# KiCad board PH60.kicad_pcb
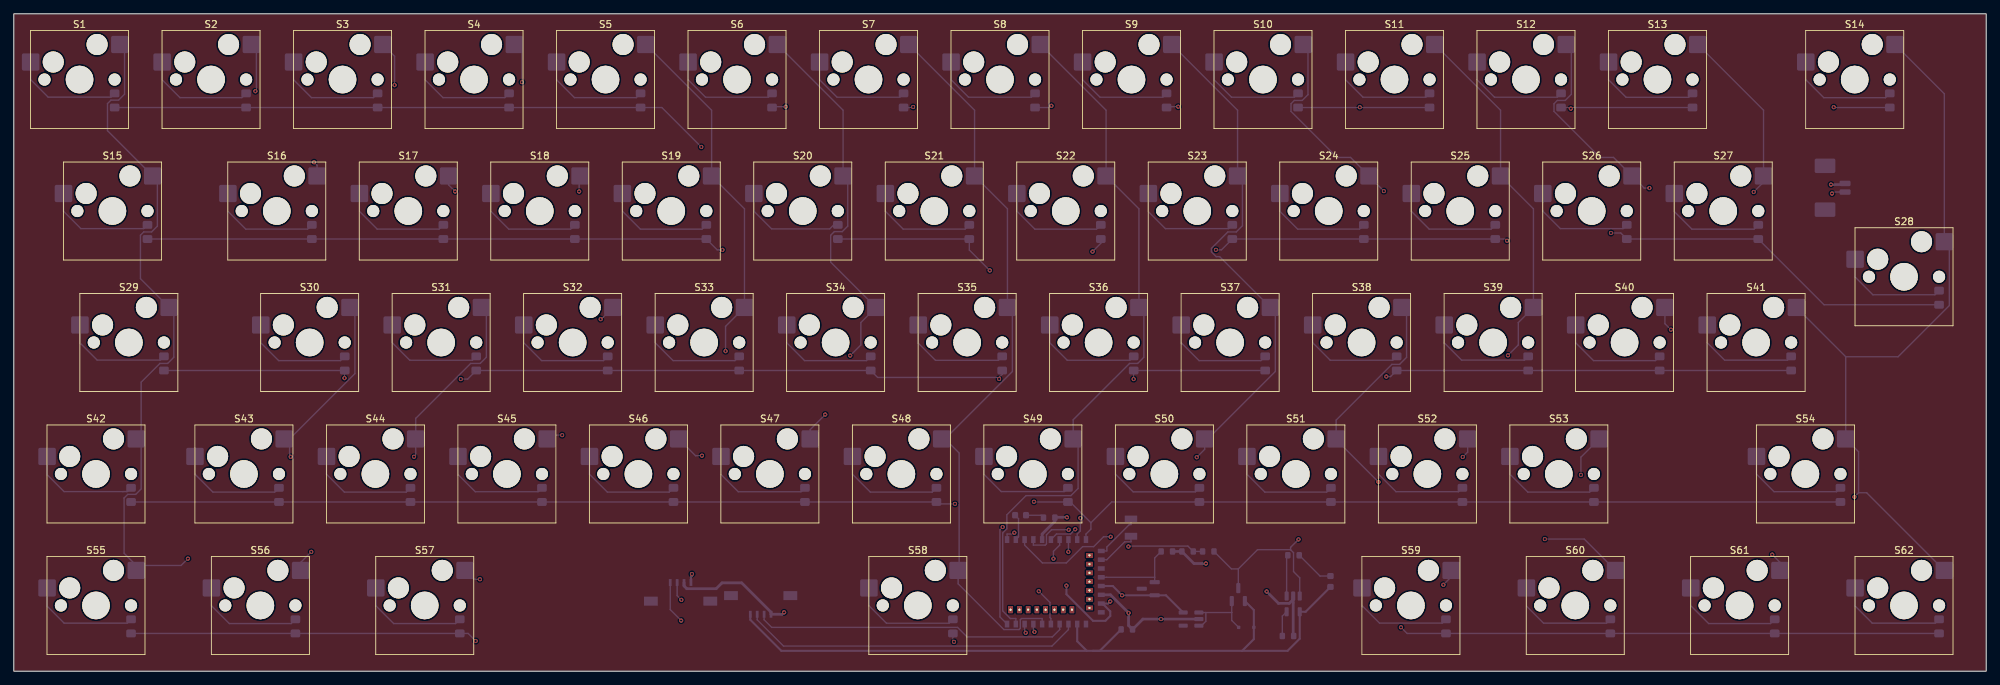
[diagram p0: board, top side]
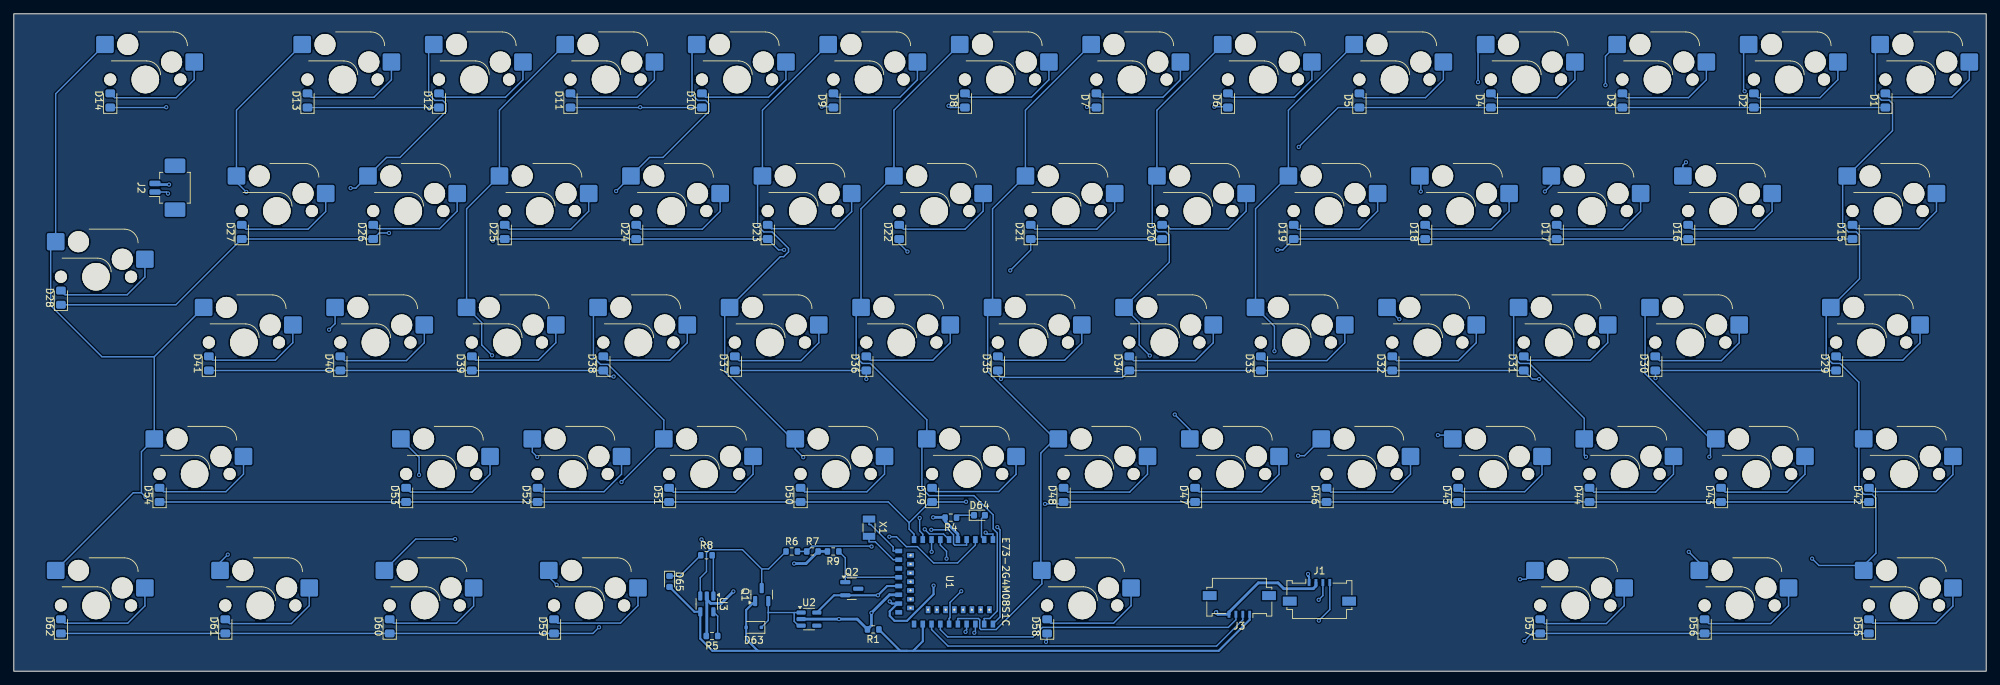
[diagram p1: board, bottom side, seen from below]

Outline 285.75 x 95.25 mm; copper layers: Top, In1.Cu, In2.Cu, Bottom. Coordinates in mm from the lower left corner of the outline.
Outline path: rectangle 0,95.25 285.75,0
Stack: Top 0.035mm / dielectric 0.1mm FR4 er 4.5 / In1.Cu 0.035mm / dielectric 1.24mm FR4 er 4.5 / In2.Cu 0.035mm / dielectric 0.1mm FR4 er 4.5 / Bottom 0.035mm

## Placement (name value [footprint] x y rotation side)
D1  DIODE  [D_0805_2012Metric_Pad1.15x1.40mm_HandSolder]  14.61 82.69 90 bottom
D2  DIODE  [D_0805_2012Metric_Pad1.15x1.40mm_HandSolder]  33.66 82.69 90 bottom
D3  DIODE  [D_0805_2012Metric_Pad1.15x1.40mm_HandSolder]  52.7 82.69 90 bottom
D4  DIODE  [D_0805_2012Metric_Pad1.15x1.40mm_HandSolder]  71.75 82.69 90 bottom
D5  DIODE  [D_0805_2012Metric_Pad1.15x1.40mm_HandSolder]  90.8 82.69 90 bottom
D6  DIODE  [D_0805_2012Metric_Pad1.15x1.40mm_HandSolder]  109.86 82.69 90 bottom
D7  DIODE  [D_0805_2012Metric_Pad1.15x1.40mm_HandSolder]  128.91 82.69 90 bottom
D8  DIODE  [D_0805_2012Metric_Pad1.15x1.40mm_HandSolder]  147.96 82.69 90 bottom
D9  DIODE  [D_0805_2012Metric_Pad1.15x1.40mm_HandSolder]  167.01 82.69 90 bottom
D10  DIODE  [D_0805_2012Metric_Pad1.15x1.40mm_HandSolder]  186.06 82.69 90 bottom
D11  DIODE  [D_0805_2012Metric_Pad1.15x1.40mm_HandSolder]  205.11 82.69 90 bottom
D12  DIODE  [D_0805_2012Metric_Pad1.15x1.40mm_HandSolder]  224.16 82.69 90 bottom
D13  DIODE  [D_0805_2012Metric_Pad1.15x1.40mm_HandSolder]  243.2 82.69 90 bottom
D14  DIODE  [D_0805_2012Metric_Pad1.15x1.40mm_HandSolder]  271.78 82.69 90 bottom
D15  DIODE  [D_0805_2012Metric_Pad1.15x1.40mm_HandSolder]  19.37 63.65 90 bottom
D16  DIODE  [D_0805_2012Metric_Pad1.15x1.40mm_HandSolder]  43.18 63.65 90 bottom
D17  DIODE  [D_0805_2012Metric_Pad1.15x1.40mm_HandSolder]  62.23 63.65 90 bottom
D18  DIODE  [D_0805_2012Metric_Pad1.15x1.40mm_HandSolder]  81.28 63.65 90 bottom
D19  DIODE  [D_0805_2012Metric_Pad1.15x1.40mm_HandSolder]  100.33 63.65 90 bottom
D20  DIODE  [D_0805_2012Metric_Pad1.15x1.40mm_HandSolder]  119.38 63.65 90 bottom
D21  DIODE  [D_0805_2012Metric_Pad1.15x1.40mm_HandSolder]  138.43 63.65 90 bottom
D22  DIODE  [D_0805_2012Metric_Pad1.15x1.40mm_HandSolder]  157.48 63.65 90 bottom
D23  DIODE  [D_0805_2012Metric_Pad1.15x1.40mm_HandSolder]  176.53 63.65 90 bottom
D24  DIODE  [D_0805_2012Metric_Pad1.15x1.40mm_HandSolder]  195.58 63.65 90 bottom
D25  DIODE  [D_0805_2012Metric_Pad1.15x1.40mm_HandSolder]  214.63 63.65 90 bottom
D26  DIODE  [D_0805_2012Metric_Pad1.15x1.40mm_HandSolder]  233.68 63.65 90 bottom
D27  DIODE  [D_0805_2012Metric_Pad1.15x1.40mm_HandSolder]  252.73 63.65 90 bottom
D28  DIODE  [D_0805_2012Metric_Pad1.15x1.40mm_HandSolder]  278.92 54.12 90 bottom
D29  DIODE  [D_0805_2012Metric_Pad1.15x1.40mm_HandSolder]  21.75 44.59 90 bottom
D30  DIODE  [D_0805_2012Metric_Pad1.15x1.40mm_HandSolder]  47.94 44.59 90 bottom
D31  DIODE  [D_0805_2012Metric_Pad1.15x1.40mm_HandSolder]  66.99 44.59 90 bottom
D32  DIODE  [D_0805_2012Metric_Pad1.15x1.40mm_HandSolder]  86.04 44.59 90 bottom
D33  DIODE  [D_0805_2012Metric_Pad1.15x1.40mm_HandSolder]  105.09 44.59 90 bottom
D34  DIODE  [D_0805_2012Metric_Pad1.15x1.40mm_HandSolder]  124.14 44.59 90 bottom
D35  DIODE  [D_0805_2012Metric_Pad1.15x1.40mm_HandSolder]  143.19 44.59 90 bottom
D36  DIODE  [D_0805_2012Metric_Pad1.15x1.40mm_HandSolder]  162.24 44.59 90 bottom
D37  DIODE  [D_0805_2012Metric_Pad1.15x1.40mm_HandSolder]  181.29 44.59 90 bottom
D38  DIODE  [D_0805_2012Metric_Pad1.15x1.40mm_HandSolder]  200.34 44.59 90 bottom
D39  DIODE  [D_0805_2012Metric_Pad1.15x1.40mm_HandSolder]  219.39 44.59 90 bottom
D40  DIODE  [D_0805_2012Metric_Pad1.15x1.40mm_HandSolder]  238.44 44.59 90 bottom
D41  DIODE  [D_0805_2012Metric_Pad1.15x1.40mm_HandSolder]  257.49 44.59 90 bottom
D42  DIODE  [D_0805_2012Metric_Pad1.15x1.40mm_HandSolder]  16.99 25.55 90 bottom
D43  DIODE  [D_0805_2012Metric_Pad1.15x1.40mm_HandSolder]  38.42 25.55 90 bottom
D44  DIODE  [D_0805_2012Metric_Pad1.15x1.40mm_HandSolder]  57.47 25.55 90 bottom
D45  DIODE  [D_0805_2012Metric_Pad1.15x1.40mm_HandSolder]  76.52 25.55 90 bottom
D46  DIODE  [D_0805_2012Metric_Pad1.15x1.40mm_HandSolder]  95.57 25.55 90 bottom
D47  DIODE  [D_0805_2012Metric_Pad1.15x1.40mm_HandSolder]  114.62 25.55 90 bottom
D48  DIODE  [D_0805_2012Metric_Pad1.15x1.40mm_HandSolder]  133.67 25.55 90 bottom
D49  DIODE  [D_0805_2012Metric_Pad1.15x1.40mm_HandSolder]  152.72 25.55 90 bottom
D50  DIODE  [D_0805_2012Metric_Pad1.15x1.40mm_HandSolder]  171.77 25.55 90 bottom
D51  DIODE  [D_0805_2012Metric_Pad1.15x1.40mm_HandSolder]  190.82 25.55 90 bottom
D52  DIODE  [D_0805_2012Metric_Pad1.15x1.40mm_HandSolder]  209.87 25.55 90 bottom
D53  DIODE  [D_0805_2012Metric_Pad1.15x1.40mm_HandSolder]  228.92 25.55 90 bottom
D54  DIODE  [D_0805_2012Metric_Pad1.15x1.40mm_HandSolder]  264.64 25.55 90 bottom
D55  DIODE  [D_0805_2012Metric_Pad1.15x1.40mm_HandSolder]  16.99 6.5 90 bottom
D56  DIODE  [D_0805_2012Metric_Pad1.15x1.40mm_HandSolder]  40.8 6.5 90 bottom
D57  DIODE  [D_0805_2012Metric_Pad1.15x1.40mm_HandSolder]  64.61 6.5 90 bottom
D58  DIODE  [D_0805_2012Metric_Pad1.15x1.40mm_HandSolder]  136.05 6.5 90 bottom
D59  DIODE  [D_0805_2012Metric_Pad1.15x1.40mm_HandSolder]  207.49 6.5 90 bottom
D60  DIODE  [D_0805_2012Metric_Pad1.15x1.40mm_HandSolder]  231.3 6.5 90 bottom
D61  DIODE  [D_0805_2012Metric_Pad1.15x1.40mm_HandSolder]  255.11 6.5 90 bottom
D62  DIODE  [D_0805_2012Metric_Pad1.15x1.40mm_HandSolder]  278.92 6.5 90 bottom
D63  1N5819  [D_SOD-323F]  178.55 6.35 0 bottom
D64  BLUE  [LED_0603_1608Metric]  145.85 22.6 180 bottom
D65  RED  [LED_0603_1608Metric]  190.75 13 270 bottom
J1  Conn_01x04  [Molex_200528-0040_1x04-1MP_P1.00mm_Horizontal]  96.6 11.94 180 bottom
J2  Conn_01x02  [Molex_PicoBlade_53261-0271_1x02-1MP_P1.25mm_Horizontal]  262.9 70.05 90 bottom
J3  Conn_01x04  [Molex_200528-0040_1x04-1MP_P1.00mm_Horizontal]  108.2 9.16 0 bottom
Q1  AO3407  [SOT-23]  177.4 11.1 90 bottom
Q2  AO3407  [SOT-23]  164.35 11.95 180 bottom
R1  100K  [R_0603_1608Metric]  161.25 6.05 0 bottom
R4  1K  [R_0603_1608Metric]  150 22.25 0 bottom
R5  RPROG  [R_0603_1608Metric]  184.6 5.1 0 bottom
R6  820K  [R_0603_1608Metric]  173.05 17.35 180 bottom
R7  2M  [R_0603_1608Metric]  170.05 17.35 180 bottom
R8  1K  [R_0603_1608Metric]  185.4 16.8 180 bottom
R9  2M  [R_0603_1608Metric]  167.05 17.35 0 bottom
S1  MX1A  [SW_Hotswap_Kailh_MX_1.00u]  9.53 85.72 0 top
S2  MX1A  [SW_Hotswap_Kailh_MX_1.00u]  28.57 85.72 0 top
S3  MX1A  [SW_Hotswap_Kailh_MX_1.00u]  47.62 85.72 0 top
S4  MX1A  [SW_Hotswap_Kailh_MX_1.00u]  66.67 85.72 0 top
S5  MX1A  [SW_Hotswap_Kailh_MX_1.00u]  85.72 85.72 0 top
S6  MX1A  [SW_Hotswap_Kailh_MX_1.00u]  104.77 85.72 0 top
S7  MX1A  [SW_Hotswap_Kailh_MX_1.00u]  123.83 85.72 0 top
S8  MX1A  [SW_Hotswap_Kailh_MX_1.00u]  142.88 85.72 0 top
S9  MX1A  [SW_Hotswap_Kailh_MX_1.00u]  161.93 85.72 0 top
S10  MX1A  [SW_Hotswap_Kailh_MX_1.00u]  180.98 85.72 0 top
S11  MX1A  [SW_Hotswap_Kailh_MX_1.00u]  200.03 85.72 0 top
S12  MX1A  [SW_Hotswap_Kailh_MX_1.00u]  219.08 85.72 0 top
S13  MX1A  [SW_Hotswap_Kailh_MX_1.00u]  238.12 85.72 0 top
S14  MX1A  [SW_Hotswap_Kailh_MX_2.00u]  266.7 85.72 0 top
S15  MX1A  [SW_Hotswap_Kailh_MX_1.50u]  14.29 66.68 0 top
S16  MX1A  [SW_Hotswap_Kailh_MX_1.00u]  38.1 66.68 0 top
S17  MX1A  [SW_Hotswap_Kailh_MX_1.00u]  57.15 66.68 0 top
S18  MX1A  [SW_Hotswap_Kailh_MX_1.00u]  76.2 66.68 0 top
S19  MX1A  [SW_Hotswap_Kailh_MX_1.00u]  95.25 66.68 0 top
S20  MX1A  [SW_Hotswap_Kailh_MX_1.00u]  114.3 66.68 0 top
S21  MX1A  [SW_Hotswap_Kailh_MX_1.00u]  133.35 66.68 0 top
S22  MX1A  [SW_Hotswap_Kailh_MX_1.00u]  152.4 66.68 0 top
S23  MX1A  [SW_Hotswap_Kailh_MX_1.00u]  171.45 66.68 0 top
S24  MX1A  [SW_Hotswap_Kailh_MX_1.00u]  190.5 66.68 0 top
S25  MX1A  [SW_Hotswap_Kailh_MX_1.00u]  209.55 66.68 0 top
S26  MX1A  [SW_Hotswap_Kailh_MX_1.00u]  228.6 66.68 0 top
S27  MX1A  [SW_Hotswap_Kailh_MX_1.00u]  247.65 66.68 0 top
S28  MX1A  [SW_Hotswap_Kailh_MX_ISOEnter]  273.84 57.15 0 top
S29  MX1A  [SW_Hotswap_Kailh_MX_1.75u]  16.67 47.62 0 top
S30  MX1A  [SW_Hotswap_Kailh_MX_1.00u]  42.86 47.62 0 top
S31  MX1A  [SW_Hotswap_Kailh_MX_1.00u]  61.91 47.62 0 top
S32  MX1A  [SW_Hotswap_Kailh_MX_1.00u]  80.96 47.62 0 top
S33  MX1A  [SW_Hotswap_Kailh_MX_1.00u]  100.01 47.62 0 top
S34  MX1A  [SW_Hotswap_Kailh_MX_1.00u]  119.06 47.62 0 top
S35  MX1A  [SW_Hotswap_Kailh_MX_1.00u]  138.11 47.62 0 top
S36  MX1A  [SW_Hotswap_Kailh_MX_1.00u]  157.16 47.62 0 top
S37  MX1A  [SW_Hotswap_Kailh_MX_1.00u]  176.21 47.62 0 top
S38  MX1A  [SW_Hotswap_Kailh_MX_1.00u]  195.26 47.62 0 top
S39  MX1A  [SW_Hotswap_Kailh_MX_1.00u]  214.31 47.62 0 top
S40  MX1A  [SW_Hotswap_Kailh_MX_1.00u]  233.36 47.62 0 top
S41  MX1A  [SW_Hotswap_Kailh_MX_1.00u]  252.41 47.62 0 top
S42  MX1A  [SW_Hotswap_Kailh_MX_1.25u]  11.91 28.58 0 top
S43  MX1A  [SW_Hotswap_Kailh_MX_1.00u]  33.34 28.58 0 top
S44  MX1A  [SW_Hotswap_Kailh_MX_1.00u]  52.39 28.58 0 top
S45  MX1A  [SW_Hotswap_Kailh_MX_1.00u]  71.44 28.58 0 top
S46  MX1A  [SW_Hotswap_Kailh_MX_1.00u]  90.49 28.58 0 top
S47  MX1A  [SW_Hotswap_Kailh_MX_1.00u]  109.54 28.58 0 top
S48  MX1A  [SW_Hotswap_Kailh_MX_1.00u]  128.59 28.58 0 top
S49  MX1A  [SW_Hotswap_Kailh_MX_1.00u]  147.64 28.58 0 top
S50  MX1A  [SW_Hotswap_Kailh_MX_1.00u]  166.69 28.58 0 top
S51  MX1A  [SW_Hotswap_Kailh_MX_1.00u]  185.74 28.58 0 top
S52  MX1A  [SW_Hotswap_Kailh_MX_1.00u]  204.79 28.58 0 top
S53  MX1A  [SW_Hotswap_Kailh_MX_1.00u]  223.84 28.58 0 top
S54  MX1A  [SW_Hotswap_Kailh_MX_2.75u]  259.56 28.58 0 top
S55  MX1A  [SW_Hotswap_Kailh_MX_1.25u]  11.91 9.53 0 top
S56  MX1A  [SW_Hotswap_Kailh_MX_1.25u]  35.72 9.53 0 top
S57  MX1A  [SW_Hotswap_Kailh_MX_1.25u]  59.53 9.53 0 top
S58  MX1A  [SW_Hotswap_Kailh_MX_6.25u]  130.97 9.53 0 top
S59  MX1A  [SW_Hotswap_Kailh_MX_1.25u]  202.41 9.53 0 top
S60  MX1A  [SW_Hotswap_Kailh_MX_1.25u]  226.22 9.53 0 top
S61  MX1A  [SW_Hotswap_Kailh_MX_1.25u]  250.03 9.53 0 top
S62  MX1A  [SW_Hotswap_Kailh_MX_1.25u]  273.84 9.53 0 top
U1  E73-2G4M08S1C  [E73-2G4M08S1C-52840]  157.93 12.95 180 bottom
U2  AP2112K-3.3  [SOT-23-5]  170.55 7.55 180 bottom
U3  TP4054  [SOT-23-5]  185.35 9.75 270 bottom
X1  32768kHz  [Crystal_SMD_3215-2Pin_3.2x1.5mm]  161.85 20.8 270 bottom

## Library data of the parts
D1-D62 = -: Description: Diode; Sim.Device: D; Sim.Pins: 1=K 2=A; ki_fp_filters: TO-???* *_Diode_* *SingleDiode* D_*
D63 = -: ki_fp_filters: D*SOD?123*
D64 D65 = -: ki_fp_filters: LED* LED_SMD:* LED_THT:*
J1 J2 = -: ki_fp_filters: Connector*:*_1x??_*
J3 = -: Description: Generic connector, single row, 01x04, script generated (kicad-library-utils/schlib/autogen/connector/); ki_fp_filters: Connector*:*_1x??_*
Q1 Q2 = -: ki_fp_filters: SOT?23*
R1 R4 R5 R8 = -: ki_fp_filters: R_* R_*
R6 R7 R9 = -: ki_fp_filters: R_*
S1-S62 = -: Description: Push button switch, generic, two pins
U2 = -: Datasheet: https://www.diodes.com/assets/Datasheets/AP2112.pdf; ki_fp_filters: SOT?23?5*
U3 = -: Datasheet: http://ww1.microchip.com/downloads/en/DeviceDoc/20001984g.pdf; ki_fp_filters: SOT?23*
X1 = -: ki_fp_filters: Crystal*

## Footprints (pads in the part's own frame, mm; a bottom-side part is the same pattern mirrored in y, then rotated)
Crystal_SMD_3215-2Pin_3.2x1.5mm
  rect 1x1.8 smd: 1(1.25,0) 2(-1.25,0)
D_0805_2012Metric_Pad1.15x1.40mm_HandSolder
  rrect 1.15x1.4 smd: 1(-1.025,0) 2(1.025,0)
D_SOD-323F
  rrect 0.5x0.5 smd: 1(-1.1,0) 2(1.1,0)
E73-2G4M08S1C-52840
  rect 0.65x1 smd: 1(14.03,6.119) 2(12.76,6.119) 3(11.49,6.119) 4(10.22,6.119) 5(8.95,6.119) 6(7.68,6.119) 7(6.41,6.119) 8(5.14,6.119) 9(3.87,6.119) 10(2.6,6.119) 26(2.6,-6.119) 27(3.87,-6.119) 29(5.14,-6.119) 31(6.41,-6.119) 33(7.68,-6.119) 35(8.95,-6.119) 37(10.22,-6.119) 39(11.49,-6.119) 41(12.76,-6.119) 43(14.03,-6.119)
  rect 1x0.65 smd: 11(0.381,4.47) 13(0.381,3.2) 15(0.381,1.93) 17(0.381,0.66) 19(0.381,-0.61) 21(0.381,-1.88) 23(0.381,-3.15) 25(0.381,-4.42)
  rect 1x0.65 hole 0.3: 12(2.092,3.833) 14(2.092,2.563) 16(2.092,1.293) 18(2.092,0.023) 20(2.092,-1.247) 22(2.092,-2.517) 24(2.092,-3.787)
  rect 0.65x1 hole 0.3: 28(4.632,-4.041) 30(5.902,-4.041) 32(7.172,-4.041) 34(8.442,-4.041) 36(9.712,-4.041) 38(10.982,-4.041) 40(12.252,-4.041) 42(13.522,-4.041)
LED_0603_1608Metric
  rrect 0.875x0.95 smd: 1(-0.787,0) 2(0.787,0)
Molex_200528-0040_1x04-1MP_P1.00mm_Horizontal
  rect 0.4x1 smd: 1(-1.5,0.91) 2(-0.5,0.91) 3(0.5,0.91) 4(1.5,0.91)
  rect 2x1.3 smd: MP(-4.3,-1.79) MP(4.3,-1.79)
Molex_PicoBlade_53261-0271_1x02-1MP_P1.25mm_Horizontal
  rrect 0.8x1.6 smd: 1(-0.625,2.4) 2(0.625,2.4)
  rrect 2.1x3 smd: MP(-3.175,-0.5) MP(3.175,-0.5)
R_0603_1608Metric
  rrect 0.8x0.95 smd: 1(-0.825,0) 2(0.825,0)
SOT-23
  rrect 1.475x0.6 smd: 1(-0.938,0.95) 2(-0.938,-0.95) 3(0.938,0)
SOT-23-5
  rrect 1.325x0.6 smd: 1(-1.137,0.95) 2(-1.137,0) 3(-1.137,-0.95) 4(1.137,-0.95) 5(1.137,0.95)
SW_Hotswap_Kailh_MX_1.00u
  round 1.75 hole 1.75 unplated: (-5.08,0) (5.08,0)
  round 3.05 hole 3.05 unplated: (-3.81,2.54) (2.54,5.08)
  round 4 hole 4 unplated: (0,0)
  rrect 2.55x2.5 smd far side: 1(-7.085,2.54) 2(5.842,5.08)
SW_Hotswap_Kailh_MX_1.25u
  round 1.75 hole 1.75 unplated: (-5.08,0) (5.08,0)
  round 3.05 hole 3.05 unplated: (-3.81,2.54) (2.54,5.08)
  round 4 hole 4 unplated: (0,0)
  rrect 2.55x2.5 smd far side: 1(-7.085,2.54) 2(5.842,5.08)
SW_Hotswap_Kailh_MX_1.50u
  round 1.75 hole 1.75 unplated: (-5.08,0) (5.08,0)
  round 3.05 hole 3.05 unplated: (-3.81,2.54) (2.54,5.08)
  round 4 hole 4 unplated: (0,0)
  rrect 2.55x2.5 smd far side: 1(-7.085,2.54) 2(5.842,5.08)
SW_Hotswap_Kailh_MX_1.75u
  round 1.75 hole 1.75 unplated: (-5.08,0) (5.08,0)
  round 3.05 hole 3.05 unplated: (-3.81,2.54) (2.54,5.08)
  round 4 hole 4 unplated: (0,0)
  rrect 2.55x2.5 smd far side: 1(-7.085,2.54) 2(5.842,5.08)
SW_Hotswap_Kailh_MX_2.00u
  round 1.75 hole 1.75 unplated: (-5.08,0) (5.08,0)
  round 3.05 hole 3.05 unplated: (-3.81,2.54) (2.54,5.08)
  round 4 hole 4 unplated: (0,0)
  rrect 2.55x2.5 smd far side: 1(-7.085,2.54) 2(5.842,5.08)
SW_Hotswap_Kailh_MX_2.75u
  round 1.75 hole 1.75 unplated: (-5.08,0) (5.08,0)
  round 3.05 hole 3.05 unplated: (-3.81,2.54) (2.54,5.08)
  round 4 hole 4 unplated: (0,0)
  rrect 2.55x2.5 smd far side: 1(-7.085,2.54) 2(5.842,5.08)
SW_Hotswap_Kailh_MX_6.25u
  round 1.75 hole 1.75 unplated: (-5.08,0) (5.08,0)
  round 3.05 hole 3.05 unplated: (-3.81,2.54) (2.54,5.08)
  round 4 hole 4 unplated: (0,0)
  rrect 2.55x2.5 smd far side: 1(-7.085,2.54) 2(5.842,5.08)
SW_Hotswap_Kailh_MX_ISOEnter
  round 1.75 hole 1.75 unplated: (-5.08,0) (5.08,0)
  round 3.05 hole 3.05 unplated: (-3.81,2.54) (2.54,5.08)
  round 4 hole 4 unplated: (0,0)
  rrect 2.55x2.5 smd far side: 1(-7.085,2.54) 2(5.842,5.08)

## Nets
GND: J1.2 J2.2 J3.4 R1.2 R4.2 R5.2 R7.2 R9.2 U1.5 U1.21 U1.24 U2.2 U3.2
VBAT: J2.1 Q1.3 R6.1 U3.3
VBUS: D63.2 D65.2 J3.1 Q1.1 R1.1 U1.27 U3.4
/P0.00: U1.11 X1.2
/P0.01: U1.13 X1.1
/P0.07: U1.22
/P0.22: U1.34
/P0.26: U1.12
/P1.00: U1.36
/P1.02: U1.38
/P1.04: U1.40
BATTERY_PIN: R6.2 R7.1 U1.18
BLUE_LED: D64.2 U1.2
col_0: S1.2 S15.2 S29.2 S42.2 S55.2 U1.16
col_1: S2.2 S16.2 S30.2 S43.2 S56.2 U1.14
col_2: S3.2 S17.2 S31.2 S44.2 S57.2 U1.28
col_3: S4.2 S18.2 S32.2 S45.2 U1.30
col_4: S5.2 S19.2 S33.2 S46.2 U1.32
col_5: S6.2 S20.2 S34.2 S47.2 U1.33
col_6: S7.2 S21.2 S35.2 S48.2 S58.2 U1.35
col_7: S8.2 S22.2 S36.2 S49.2 U1.41
col_8: S9.2 S23.2 S37.2 S50.2 U1.43
col_9: S10.2 S24.2 S38.2 S51.2 S59.2 U1.42
col_10: S11.2 S25.2 S39.2 S52.2 S60.2 U1.1
col_11: S12.2 S26.2 S40.2 S53.2 S61.2 U1.4
col_12: S13.2 S27.2 U1.3
col_13: S14.2 S28.2 S41.2 S54.2 S62.2 U1.6
DATA+: J3.3 U1.31
DATA-: J3.2 U1.29
DCCH: U1.25
EXT_VCC: Q2.3
nRF_VDD: J1.1 Q2.2 U1.19 U1.23 U2.5
POWER_PIN: Q2.1 R9.1 U1.17
PROG: U1.15
RESET: U1.26
row_0: D1.1 D2.1 D3.1 D4.1 D5.1 D6.1 D7.1 D8.1 D9.1 D10.1 D11.1 D12.1 D13.1 D14.1 U1.7
row_1: D15.1 D16.1 D17.1 D18.1 D19.1 D20.1 D21.1 D22.1 D23.1 D24.1 D25.1 D26.1 D27.1 D28.1 U1.8
row_2: D29.1 D30.1 D31.1 D32.1 D33.1 D34.1 D35.1 D36.1 D37.1 D38.1 D39.1 D40.1 D41.1 U1.9
row_3: D42.1 D43.1 D44.1 D45.1 D46.1 D47.1 D48.1 D49.1 D50.1 D51.1 D52.1 D53.1 D54.1 U1.10
row_4: D55.1 D56.1 D57.1 D58.1 D59.1 D60.1 D61.1 D62.1 U1.20
SWC: J1.4 U1.39
SWD: J1.3 U1.37
Net-(D1-A): D1.2 S1.1
Net-(D2-A): D2.2 S2.1
Net-(D3-A): D3.2 S3.1
Net-(D4-A): D4.2 S4.1
Net-(D5-A): D5.2 S5.1
Net-(D6-A): D6.2 S6.1
Net-(D7-A): D7.2 S7.1
Net-(D8-A): D8.2 S8.1
Net-(D9-A): D9.2 S9.1
Net-(D10-A): D10.2 S10.1
Net-(D11-A): D11.2 S11.1
Net-(D12-A): D12.2 S12.1
Net-(D13-A): D13.2 S13.1
Net-(D14-A): D14.2 S14.1
Net-(D15-A): D15.2 S15.1
Net-(D16-A): D16.2 S16.1
Net-(D17-A): D17.2 S17.1
Net-(D18-A): D18.2 S18.1
Net-(D19-A): D19.2 S19.1
Net-(D20-A): D20.2 S20.1
Net-(D21-A): D21.2 S21.1
Net-(D22-A): D22.2 S22.1
Net-(D23-A): D23.2 S23.1
Net-(D24-A): D24.2 S24.1
Net-(D25-A): D25.2 S25.1
Net-(D26-A): D26.2 S26.1
Net-(D27-A): D27.2 S27.1
Net-(D28-A): D28.2 S28.1
Net-(D29-A): D29.2 S29.1
Net-(D30-A): D30.2 S30.1
Net-(D31-A): D31.2 S31.1
Net-(D32-A): D32.2 S32.1
Net-(D33-A): D33.2 S33.1
Net-(D34-A): D34.2 S34.1
Net-(D35-A): D35.2 S35.1
Net-(D36-A): D36.2 S36.1
Net-(D37-A): D37.2 S37.1
Net-(D38-A): D38.2 S38.1
Net-(D39-A): D39.2 S39.1
Net-(D40-A): D40.2 S40.1
Net-(D41-A): D41.2 S41.1
Net-(D42-A): D42.2 S42.1
Net-(D43-A): D43.2 S43.1
Net-(D44-A): D44.2 S44.1
Net-(D45-A): D45.2 S45.1
Net-(D46-A): D46.2 S46.1
Net-(D47-A): D47.2 S47.1
Net-(D48-A): D48.2 S48.1
Net-(D49-A): D49.2 S49.1
Net-(D50-A): D50.2 S50.1
Net-(D51-A): D51.2 S51.1
Net-(D52-A): D52.2 S52.1
Net-(D53-A): D53.2 S53.1
Net-(D54-A): D54.2 S54.1
Net-(D55-A): D55.2 S55.1
Net-(D56-A): D56.2 S56.1
Net-(D57-A): D57.2 S57.1
Net-(D58-A): D58.2 S58.1
Net-(D59-A): D59.2 S59.1
Net-(D60-A): D60.2 S60.1
Net-(D61-A): D61.2 S61.1
Net-(D62-A): D62.2 S62.1
Net-(D63-K): D63.1 Q1.2 U2.1 U2.3
Net-(D64-K): D64.1 R4.1
Net-(D65-K): D65.1 R8.1
Net-(U3-PROG): R5.1 U3.5
Net-(U3-STAT): R8.2 U3.1

Pads without a net: J1 MP; J2 MP; J3 MP; U2 4

## Via types
v1: diameter 0.6, hole 0.33, Top to Bottom, 81 vias

## Routing (per net, layer and track width the routed paths; a pad name or vN(x,y) marks a point on that pad's centre or on a via; arc(x,y) is an arc through that point)
GND: length 286.7
  In1.Cu w0.4: v1(111.6,8.52) 113.18,6.94 152.77,6.94 154.99,9.16 ; v1(172.7,15.6) 177.45,15.6 v1(181.5,11.55) ; U1.24 154.99,9.16 ; v1(152.56,22.29) 153.03,22.29 154.81,20.51 154.81,8.99 154.99,9.16
  In2.Cu w0.4: v1(161.5,8.45) 160.79,9.16 U1.24 ; v1(152.56,22.29) 153.45,23.18 207.73,23.18 221.23,36.69 229.55,36.69 263.26,70.4 v1(263.26,70.51) ; v1(166.2,7.55) 172.29,13.64 179.41,13.64 v1(181.5,11.55)
  Bottom w0.4: 111.46,8.66 v1(111.6,8.52) 111.33,8.25 J3.4 109.7,8.55 105.45,12.8 102.6,12.8 101.75,11.95 97.5,11.95 97.1,12.35 J1.2 ; U2.2 v1(166.2,7.55) 163.58,7.55 R1.2 161.5,6.62 v1(161.5,8.45) 158.88,11.07 U1.21 ; v1(152.56,22.29) 150.87,22.29 R4.2 150.83,21.72 148.98,19.87 U1.5 ; J2.2 265.13,70.51 v1(263.26,70.51) ; R9.2 R7.2 170.98,15.6 v1(172.7,15.6) ; R5.2 185.35,5.17 U3.2 185.35,10.39 184.78,9.83 183.23,9.83 v1(181.5,11.55)
VBAT: length 125.8
  In1.Cu w0.2: v1(186.12,19.09) 186.12,19.22 205.09,38.19 227.55,38.19 236.13,46.77 236.13,47.37 257.96,69.21 v1(263.41,69.21)
  Bottom w0.2: v1(263.41,69.21) 263.63,69.43 J2.1 ; Q1.3 177.4,14.82 ; 177.4,14.82 180.18,17.6 184.97,17.6 ; 177.4,14.82 176.41,14.82 R6.1 ; 184.97,17.6 184.97,17.94 v1(186.12,19.09) ; 184.97,17.6 185.4,17.17 185.4,14.43 186.3,13.53 U3.3
VBUS: length 111.1
  Bottom w0.3: J3.1 106.7,7.45 111.2,2.95 155.45,2.95 ; 177.95,2.95 156.35,2.95 ; 177.95,2.95 179.65,4.65 D63.2 179.65,8.86 Q1.1 ; 177.95,2.95 184.53,2.95 186.3,4.72 U3.4 187.15,8.61 D65.2 ; 156.35,2.95 157.33,2.95 R1.1 ; 156.35,2.95 155.45,2.95 ; 155.45,2.95 154.06,4.34 U1.27
/P0.00: length 7
  Bottom w0.2: X1.2 161.85,21.25 161.61,21.25 158.35,17.99 158.35,17.42 U1.11
/P0.01: length 6.2
  Bottom w0.2: U1.13 158.35,16.15 160.95,18.75 161.85,18.75 X1.1
BATTERY_PIN: length 19
  In1.Cu w0.2: v1(161.48,18.06) 156.64,13.22 156.64,12.97 U1.18
  Bottom w0.2: v1(161.48,18.06) 161.55,18.13 170.1,18.13 R7.1 R6.2
BLUE_LED: length 3.9
  Bottom w0.2: U1.2 145.56,19.46 145.56,22.1 D64.2
col_0: length 230.2
  In2.Cu w0.2: v1(25.22,16.31) 25.6,16.68 148.13,16.68 150.57,14.24 U1.16
  Bottom w0.2: S42.2 18.45,33.66 ; 18.45,33.66 18.45,26.42 17.66,25.62 16.51,25.62 15.98,25.09 15.98,17.09 17.75,15.32 ; 18.45,33.66 18.45,41.88 21.16,44.59 22.29,44.59 23.18,45.48 23.18,52.04 S29.2 18.35,56.87 18.35,63.17 18.82,63.65 19.96,63.65 20.8,64.48 20.8,71.09 S15.2 13.57,78.31 13.57,82.24 14.07,82.74 15.18,82.74 16.04,83.6 16.04,90.13 S1.2 ; 17.75,15.32 S55.2 ; 17.75,15.32 24.23,15.32 v1(25.22,16.31)
col_1: length 229.2
  In1.Cu w0.2: v1(35,84.03) 35,82.24 v1(43.5,73.74)
  In2.Cu w0.2: v1(43.5,73.74) 43.5,71.42 41.44,69.36 41.44,57.05 36.35,51.96 36.35,37.52 40.11,33.75 v1(40.11,31.07) 40.11,21.49 43.7,17.9 ; U1.14 155.04,15.51 155.04,15.9 153.03,17.9 43.7,17.9 ; 43.7,17.9 v1(43.09,17.29)
  Bottom w0.2: v1(35,84.03) 35.15,84.17 35.15,90.08 S2.2 ; S56.2 41.56,15.76 v1(43.09,17.29) ; v1(40.11,31.07) 39.95,31.22 39.95,33.66 ; v1(43.5,73.74) 43.94,73.3 S16.2 ; 39.95,33.66 49.41,43.11 49.41,52 S30.2 ; 39.95,33.66 S43.2
col_2: length 212.3
  In1.Cu w0.2: v1(67.53,13.32) 67.53,21.52 v1(57.98,31.07) 57.98,38.01 64.87,44.9 64.87,48.45 66.54,50.12 66.54,66.91 v1(63.94,69.51) 63.94,76.13 v1(55.16,84.91)
  In2.Cu w0.2: v1(67.53,13.32) 107.65,13.32 114.01,6.97 151.79,6.97 153.3,8.47 U1.28
  Bottom w0.2: v1(63.94,69.51) 62.99,70.46 S17.2 ; v1(55.16,84.91) 55.16,89.11 S3.2 ; v1(67.53,13.32) 66.66,13.32 S57.2 ; S31.2 68.46,52 68.46,45.49 67.57,44.59 66.19,44.59 58.23,36.64 S44.2 58.23,31.31 v1(57.98,31.07)
col_3: length 153
  In1.Cu w0.2: 84.61,38.98 84.61,50.59 v1(85.02,51) 85.6,51.58 85.6,65.82 v1(81.91,69.51) 81.91,77.06 v1(73.62,85.35) ; 84.61,38.98 93.49,30.1 97.71,30.1 112.46,15.35 128.75,15.35 131.57,12.53 137.61,12.53 142.03,8.11 152.03,8.11 U1.30 ; 84.61,38.98 84.22,38.98 v1(79.44,34.2)
  Bottom w0.2: v1(79.44,34.2) 77.83,34.2 S45.2 ; S32.2 85.1,51 v1(85.02,51) ; v1(81.91,69.51) 81.91,71.62 S18.2 ; S4.2 73.62,89.7 v1(73.62,85.35)
col_4: length 133.2
  In1.Cu w0.2: U1.32 150.76,9.71 145.83,9.71 129.75,25.79 105.13,25.79 v1(99.69,31.22) 103.11,34.65 v1(103.11,46.36)
  Bottom w0.2: v1(99.69,31.22) 98.76,31.22 S46.2 ; S5.2 101.09,81.28 S19.2 105.85,66.99 S33.2 103.11,49.97 v1(103.11,46.36)
col_5: length 117.1
  In1.Cu w0.2: 121.18,40.65 131.54,30.28 134,30.28 142.65,21.64 142.65,17.43 v1(148.49,11.59) ; 121.18,40.65 v1(121.18,45.73) ; 121.18,40.65 121.02,40.65 v1(117.56,37.19)
  Bottom w0.2: U1.33 150.25,7.63 150.11,7.77 150.11,9.96 v1(148.49,11.59) ; S6.2 120.14,81.28 S20.2 120.82,71.08 120.82,64.48 120.02,63.69 118.88,63.69 118.35,63.16 118.35,59.26 S34.2 122.72,50.52 122.72,47.27 v1(121.18,45.73) ; S47.2 115.38,35.01 v1(117.56,37.19)
col_6: length 106.9
  Bottom w0.2: 134.91,33.66 144.67,43.42 144.67,51.99 S35.2 143.95,66.99 S21.2 139.19,81.28 S7.2 ; 134.91,33.66 S48.2 ; 134.91,33.66 136.96,31.61 136.96,14.75 S58.2 136.81,12.66 143.44,6.03 145.63,6.03 145.81,6.21 145.81,7.46 145.99,7.63 148.98,7.63 U1.35
col_7: length 105
  Bottom w0.2: U1.41 145.17,7.63 144.37,7.63 143.27,8.73 143.27,20.03 143.87,20.63 143.87,22.66 146.64,25.43 153.15,25.43 154.19,26.48 154.19,32.95 S49.2 153.48,36.43 161.64,44.59 162.82,44.59 163.71,45.49 163.71,52 S36.2 163,66.99 S22.2 158.24,81.28 S8.2
col_8: length 123.5
  In2.Cu w0.2: v1(143.26,20.88) 145.19,20.88 148.71,24.4 166.15,24.4 169.67,27.92 169.67,29.29 v1(171.38,31)
  Bottom w0.2: v1(143.26,20.88) 142.87,20.48 142.87,7.86 U1.43 ; S9.2 177.29,81.28 S23.2 178,71.05 178,64.54 177.11,63.65 175.88,63.65 173.51,61.27 173.51,60.76 174.2,60.06 174.7,60.06 S37.2 182.76,52 182.76,43.42 172.99,33.66 S50.2 172.53,32.15 v1(171.38,31)
col_9: length 194
  In1.Cu w0.2: v1(207.11,12.53) 207.11,18.01 v1(197.71,27.41)
  In2.Cu w0.2: v1(197.71,27.41) 197.71,46.46 198.22,46.98 198.22,48.45 199.96,50.19 199.96,68.09 v1(198.49,69.56) ; v1(207.11,12.53) 201.98,12.53 200.37,14.14 159.53,14.14 156.45,11.06 149.56,11.06 148.21,9.71 144.41,9.71 U1.42
  Bottom w0.2: v1(197.71,27.41) 191.58,33.54 S51.2 191.58,36.39 199.65,44.45 200.76,44.45 201.78,45.47 201.78,52.03 S38.2 ; S10.2 187.49,90.13 187.49,83.53 186.66,82.7 185.51,82.7 185.03,82.22 185.03,81.11 191.7,74.44 193.66,74.44 S24.2 196.34,71.71 v1(198.49,69.56) ; S59.2 208.25,13.66 v1(207.11,12.53)
col_10: length 173.8
  In1.Cu w0.2: v1(209.92,31.04) 209.92,31.04 v1(221.81,19.14)
  In2.Cu w0.2: v1(216.46,45.77) 216.46,37.58 v1(209.92,31.04) 208.12,29.25 208.12,28.26 203.67,23.81 148.69,23.81 v1(144.96,20.07)
  Bottom w0.2: S11.2 215.39,81.28 S25.2 220.15,66.99 S39.2 217.97,50.52 217.97,47.27 v1(216.46,45.77) ; v1(144.96,20.07) 144.75,19.87 143.9,19.87 U1.1 ; v1(221.81,19.14) 227.52,19.14 S60.2 ; v1(209.92,31.04) 210.63,31.75 S52.2
col_11: length 204
  In1.Cu w0.2: v1(254.75,16.89) 240.08,31.57 ; 240.08,31.57 235.63,27.12 228.35,27.12 v1(227.04,28.44) ; 240.08,31.57 v1(240.08,49.48)
  In2.Cu w0.2: v1(152.83,20.49) 153.92,21.58 220.52,21.58 227.04,28.1 v1(227.04,28.44) ; v1(236.96,70) 240.08,66.88 v1(240.08,49.48)
  Bottom w0.2: v1(152.83,20.49) 150.34,20.49 149.61,19.76 149.61,18.45 149.43,18.27 147.71,18.27 U1.4 ; v1(254.75,16.89) 255.87,15.77 S61.2 ; v1(236.96,70) 236.2,70 S26.2 231.76,74.44 229.8,74.44 223.14,81.11 223.14,82.22 223.61,82.7 224.76,82.7 225.65,83.59 225.65,90.07 S12.2 ; S40.2 239.2,50.35 v1(240.08,49.48) ; v1(227.04,28.44) 227.04,31.01 S53.2
col_12: length 156.8
  In1.Cu w0.2: v1(252.07,69.44) 250.99,68.35 250.99,66.35 247.78,63.14 238.69,63.14 220.49,44.94 209.74,44.94 184.28,19.48 v1(158.9,19.48)
  Bottom w0.2: v1(252.07,69.44) 253.49,70.86 S27.2 253.49,81.28 S13.2 ; v1(158.9,19.48) 157.88,19.48 156.45,18.05 154.84,18.05 152.49,15.69 149.01,15.69 146.44,18.27 U1.3
col_13: length 226.7
  In2.Cu w0.2: v1(153.78,20.56) 261.96,20.56 v1(266.66,25.25)
  Bottom w0.2: 265.4,45.56 S54.2 267.26,31.8 267.26,25.85 ; 265.4,45.56 S41.2 ; 265.4,45.56 272.99,45.56 280.41,52.98 280.41,61.51 S28.2 279.69,83.66 S14.2 ; U1.6 151.06,19.88 153.1,19.88 v1(153.78,20.56) ; 267.26,25.85 v1(266.66,25.25) ; 267.26,25.85 268.44,25.85 S62.2
DATA+: length 45.9
  Bottom w0.2: U1.31 151.52,6.03 150.46,4.97 138.11,4.97 136.73,6.35 109.8,6.35 108.7,7.45 J3.3
DATA-: length 49.3
  Bottom w0.2: U1.29 152.79,6.03 150.4,3.64 111.51,3.64 107.7,7.45 J3.2
nRF_VDD: length 85.8
  In1.Cu w0.3: v1(160.56,11) 159.66,10.11 v1(158.86,10.11)
  In2.Cu w0.3: v1(98.25,14.08) 98.33,14.16 129.94,14.16 131.75,12.35 150.1,12.35 150.85,13.1 151.8,13.1 v1(152.5,12.4)
  Bottom w0.3: J1.1 98.1,13.65 98.25,13.8 v1(98.25,14.08) ; U2.5 166.91,11 Q2.2 v1(160.56,11) 159.22,12.34 U1.19 ; v1(158.86,10.11) 158.55,9.8 U1.23 157.72,9.8 158.85,8.67 158.85,8 158.15,7.3 156.35,7.3 152.5,11.15 v1(152.5,12.4)
POWER_PIN: length 12.6
  Bottom w0.2: 165.29,13.61 U1.17 ; 165.29,13.61 165.29,16.41 R9.1 ; 165.29,13.61 Q2.1
row_0: length 382.2
  In1.Cu w0.2: v1(99.59,75.96) 106,75.96 v1(111.82,81.79) ; v1(263.66,81.72) 225.77,81.72 v1(225.57,81.52) 225.37,81.72 v1(195,81.72) ; v1(150.32,81.93) 145.87,77.47 145.87,40.97 152.28,34.56 152.28,32.56 150.62,30.91 v1(150.62,16.31)
  In2.Cu w0.2: v1(195,81.72) 194.93,81.79 v1(168.7,81.79) 168.62,81.86 150.32,81.86 ; 150.32,81.86 150.21,81.75 v1(130.28,81.75) 111.86,81.75 v1(111.82,81.79) ; 150.32,81.86 v1(150.32,81.93)
  Bottom w0.2: D9.1 167.13,81.79 v1(168.7,81.79) ; v1(195,81.72) 195,81.67 ; 195,81.67 D11.1 ; 195,81.67 D10.1 ; D7.1 130.2,81.67 v1(130.28,81.75) ; D8.1 150.06,81.67 v1(150.32,81.93) ; D6.1 109.98,81.79 v1(111.82,81.79) ; D12.1 225.42,81.67 v1(225.57,81.52) 225.72,81.67 D13.1 ; D1.1 D2.1 D3.1 D4.1 D5.1 93.89,81.67 v1(99.59,75.96) ; D14.1 263.71,81.67 v1(263.66,81.72) ; U1.7 151.52,18.27 150.62,17.37 v1(150.62,16.31)
row_1: length 344.9
  In1.Cu w0.2: 165.09,51.99 165.09,48.45 154.16,37.51 154.16,27.06 151.96,24.86 151.96,18.12 v1(152.78,17.3) ; 165.09,51.99 v1(156.28,60.8) ; 165.09,51.99 v1(174.15,61.05) ; v1(216.34,62.37) 230.26,62.37 v1(231.39,63.49)
  In2.Cu w0.2: v1(102.67,61.05) 105.65,58.07 v1(141.39,58.07) 153.55,58.07 v1(156.28,60.8)
  Bottom w0.2: D28.1 262.25,53.09 D27.1 D26.1 232.81,63.49 v1(231.39,63.49) ; D20.1 D21.1 138.43,61.02 v1(141.39,58.07) ; v1(156.28,60.8) 157.48,62 D22.1 ; v1(216.34,62.37) 216.08,62.62 D25.1 D24.1 D23.1 174.96,61.05 v1(174.15,61.05) ; D15.1 D16.1 D17.1 D18.1 D19.1 101.9,61.05 v1(102.67,61.05) ; v1(152.78,17.3) 152.79,17.31 U1.8
row_2: length 286.8
  In1.Cu w0.2: 162.27,42.3 160.15,40.19 160.15,27.84 v1(154.51,22.2) ; 162.27,42.3 v1(162.24,42.33) ; 162.27,42.3 198.46,42.3 v1(198.85,42.69)
  In2.Cu w0.2: v1(142.74,42.34) 142.76,42.33 v1(162.24,42.33) ; v1(64.77,42.32) 64.63,42.46 v1(47.91,42.46)
  Bottom w0.2: D35.1 143.19,43.02 142.74,42.57 ; v1(64.77,42.32) 65.75,42.32 D31.1 D32.1 D33.1 D34.1 125.15,42.57 142.74,42.57 ; v1(162.24,42.33) 162.24,43.57 D36.1 D37.1 ; v1(142.74,42.34) 142.74,42.57 ; D41.1 D40.1 D39.1 D38.1 199.46,42.69 v1(198.85,42.69) ; U1.9 154.06,19.87 154.51,20.33 v1(154.51,22.2) ; 47.91,43.57 v1(47.91,42.46) ; 47.91,43.57 D29.1 ; 47.91,43.57 D30.1
row_3: length 253.1
  In2.Cu w0.2: v1(147.79,24.55) 147.48,24.24 v1(136.35,24.24)
  Bottom w0.2: 156.05,21.52 156.05,20.59 155.33,19.87 U1.10 ; 156.05,21.52 159.05,24.52 D50.1 D51.1 D52.1 D53.1 D54.1 ; 156.05,21.52 153.04,24.52 D49.1 147.82,24.52 v1(147.79,24.55) ; D42.1 D43.1 D44.1 D45.1 D46.1 D47.1 D48.1 133.95,24.24 v1(136.35,24.24)
row_4: length 270.7
  In1.Cu w0.2: v1(66.92,4.37) 136.08,4.37 v1(136.21,4.25) 152.2,4.25 156.64,8.69 ; v1(200.96,6.37) 158.96,6.37 156.64,8.69 ; 156.64,8.69 156.64,11.7 U1.20
  Bottom w0.2: v1(66.92,4.37) 65.83,5.47 D57.1 D56.1 D55.1 ; v1(200.96,6.37) 201.86,5.47 D59.1 D60.1 D61.1 D62.1 ; v1(136.21,4.25) 136.05,4.41 D58.1
SWC: length 58.1
  In2.Cu w0.2: v1(96.69,7.34) 98.45,5.57 v1(146.6,5.57)
  Bottom w0.2: U1.39 146.44,5.73 v1(146.6,5.57) ; v1(96.69,7.34) 95.1,8.93 J1.4
SWD: length 57
  In1.Cu w0.2: v1(96.71,10.34) 100.87,6.18 147.39,6.18 v1(147.87,5.7)
  Bottom w0.2: v1(96.71,10.34) 96.1,10.95 J1.3 ; v1(147.87,5.7) 147.87,5.87 147.71,6.03 U1.37
Net-(D1-A): length 16
  Bottom w0.2: S1.1 2.44,85.71 4.97,83.17 14.06,83.17 14.61,83.72
Net-(D2-A): length 16.1
  Bottom w0.2: S2.1 21.49,85.69 24.08,83.1 33.04,83.1 33.66,83.72
Net-(D3-A): length 16.1
  Bottom w0.2: 52.7,83.72 52.09,83.1 43.13,83.1 40.54,85.69 S3.1
Net-(D4-A): length 16.1
  Bottom w0.2: 71.75,83.72 71.14,83.1 62.18,83.1 59.59,85.69 S4.1
Net-(D5-A): length 16.1
  Bottom w0.2: S5.1 78.64,85.69 81.23,83.1 90.19,83.1 90.8,83.72
Net-(D6-A): length 16
  Bottom w0.2: S6.1 97.69,85.69 100.21,83.17 109.3,83.17 109.86,83.72
Net-(D7-A): length 16
  Bottom w0.2: S7.1 116.74,85.69 119.26,83.17 128.35,83.17 128.91,83.72
Net-(D8-A): length 16
  Bottom w0.2: 147.96,83.72 147.4,83.17 138.31,83.17 135.79,85.69 S8.1
Net-(D9-A): length 16
  Bottom w0.2: S9.1 154.84,85.69 157.36,83.17 166.45,83.17 167.01,83.72
Net-(D10-A): length 16
  Bottom w0.2: 186.06,83.72 185.5,83.17 176.41,83.17 173.89,85.69 S10.1
Net-(D11-A): length 16
  Bottom w0.2: S11.1 192.94,85.69 195.46,83.17 204.55,83.17 205.11,83.72
Net-(D12-A): length 16
  Bottom w0.2: 224.16,83.72 223.6,83.17 214.51,83.17 211.99,85.69 S12.1
Net-(D13-A): length 16
  Bottom w0.2: S13.1 231.04,85.69 233.58,83.15 242.64,83.15 243.2,83.72
Net-(D14-A): length 16.1
  Bottom w0.2: S14.1 259.62,85.7 262.22,83.1 271.16,83.1 271.78,83.72
Net-(D15-A): length 16
  Bottom w0.2: S15.1 7.2,66.64 9.72,64.12 18.82,64.12 D15.2
Net-(D16-A): length 16.1
  Bottom w0.2: S16.1 31.02,66.64 33.6,64.05 42.56,64.05 D16.2
Net-(D17-A): length 16.1
  Bottom w0.2: D17.2 61.61,64.05 52.65,64.05 50.06,66.64 S17.1
Net-(D18-A): length 16.1
  Bottom w0.2: S18.1 69.11,66.64 71.7,64.05 80.66,64.05 D18.2
Net-(D19-A): length 16.1
  Bottom w0.2: S19.1 88.16,66.66 90.78,64.05 99.71,64.05 D19.2
Net-(D20-A): length 16
  Bottom w0.2: S20.1 107.21,66.66 109.79,64.09 118.21,64.09 118.79,64.67 D20.2
Net-(D21-A): length 16.1
  Bottom w0.2: S21.1 126.27,66.64 128.85,64.05 137.81,64.05 D21.2
Net-(D22-A): length 16.1
  Bottom w0.2: S22.1 145.31,66.66 147.93,64.05 156.86,64.05 D22.2
Net-(D23-A): length 16
  Bottom w0.2: S23.1 164.37,66.59 166.84,64.12 175.98,64.12 D23.2
Net-(D24-A): length 16.1
  Bottom w0.2: D24.2 194.96,64.05 186,64.05 183.42,66.64 S24.1
Net-(D25-A): length 16.1
  Bottom w0.2: S25.1 202.47,66.64 205.05,64.05 214.01,64.05 D25.2
Net-(D26-A): length 16
  Bottom w0.2: D26.2 233.13,64.12 224.05,64.12 221.52,66.66 S26.1
Net-(D27-A): length 16.1
  Bottom w0.2: S27.1 240.56,66.6 243.12,64.05 252.11,64.05 D27.2
Net-(D28-A): length 16.1
  Bottom w0.2: D28.2 278.32,54.54 269.33,54.54 266.76,57.11 266.76,59.69
Net-(D29-A): length 16
  Bottom w0.2: S29.1 9.58,47.56 12.07,45.07 21.2,45.07 D29.2
Net-(D30-A): length 16.1
  Bottom w0.2: S30.1 35.78,47.59 38.36,45 47.32,45 D30.2
Net-(D31-A): length 16
  Bottom w0.2: S31.1 54.83,47.59 57.37,45.05 66.43,45.05 D31.2
Net-(D32-A): length 16.1
  Bottom w0.2: D32.2 85.42,45 76.46,45 73.88,47.59 S32.1
Net-(D33-A): length 16.1
  Bottom w0.2: S33.1 92.93,47.59 95.51,45 104.47,45 D33.2
Net-(D34-A): length 16.1
  Bottom w0.2: D34.2 123.52,45 114.56,45 111.98,47.59 S34.1
Net-(D35-A): length 16.1
  Bottom w0.2: D35.2 142.62,45.05 133.52,45.05 131.03,47.54 S35.1
Net-(D36-A): length 16
  Bottom w0.2: D36.2 161.68,45.05 152.62,45.05 150.08,47.59 S36.1
Net-(D37-A): length 16.1
  Bottom w0.2: S37.1 169.13,47.59 171.71,45 180.67,45 D37.2
Net-(D38-A): length 16
  Bottom w0.2: S38.1 188.18,47.59 190.72,45.05 199.78,45.05 D38.2
Net-(D39-A): length 16
  Bottom w0.2: S39.1 207.23,47.59 209.74,45.07 218.85,45.07 D39.2
Net-(D40-A): length 16.1
  Bottom w0.2: D40.2 237.82,45 228.86,45 226.28,47.59 S40.1
Net-(D41-A): length 16
  Bottom w0.2: D41.2 256.94,45.07 247.85,45.07 245.33,47.59 S41.1
Net-(D42-A): length 16
  Bottom w0.2: D42.2 16.46,26.04 16.38,26.04 16.37,26.02 15.82,26.02 15.82,26.02 7.28,26.02 4.82,28.48 S42.1
Net-(D43-A): length 16.1
  Bottom w0.2: D43.2 37.8,25.95 28.84,25.95 26.25,28.54 S43.1
Net-(D44-A): length 16.1
  Bottom w0.2: S44.1 45.3,28.54 47.89,25.95 56.85,25.95 D44.2
Net-(D45-A): length 16
  Bottom w0.2: D45.2 75.95,26 66.86,26 64.35,28.5 S45.1
Net-(D46-A): length 16.1
  Bottom w0.2: D46.2 94.95,25.95 85.99,25.95 83.4,28.54 S46.1
Net-(D47-A): length 16.1
  Bottom w0.2: S47.1 102.45,28.5 104.96,26 114.05,26 D47.2
Net-(D48-A): length 16.1
  Bottom w0.2: S48.1 121.5,28.54 124.09,25.95 133.05,25.95 D48.2
Net-(D49-A): length 16
  Bottom w0.2: D49.2 152.17,26.02 143.05,26.02 140.55,28.52 S49.1
Net-(D50-A): length 16
  Bottom w0.2: D50.2 171.19,25.99 162.17,25.99 159.6,28.56 S50.1
Net-(D51-A): length 16.1
  Bottom w0.2: S51.1 178.65,28.54 181.24,25.95 190.2,25.95 D51.2
Net-(D52-A): length 16
  Bottom w0.2: D52.2 209.3,26.01 200.25,26.01 197.7,28.55 S52.1
Net-(D53-A): length 16.1
  Bottom w0.2: S53.1 216.75,28.54 219.35,25.95 228.3,25.95 D53.2
Net-(D54-A): length 16
  Bottom w0.2: S54.1 252.47,28.55 255.02,26.01 264.08,26.01 D54.2
Net-(D55-A): length 16.1
  Bottom w0.2: S55.1 4.82,9.43 7.3,6.96 16.43,6.96 D55.2
Net-(D56-A): length 16.1
  Bottom w0.2: S56.1 28.63,9.49 31.22,6.9 40.18,6.9 D56.2
Net-(D57-A): length 16.1
  Bottom w0.2: D57.2 63.99,6.9 55.03,6.9 52.45,9.49 S57.1
Net-(D58-A): length 16
  Bottom w0.2: D58.2 135.48,6.96 126.42,6.96 123.88,9.49 S58.1
Net-(D59-A): length 16
  Bottom w0.2: S59.1 195.32,9.5 197.86,6.97 206.93,6.97 D59.2
Net-(D60-A): length 16
  Bottom w0.2: S60.1 219.13,9.45 221.62,6.96 230.74,6.96 D60.2
Net-(D61-A): length 16.1
  Bottom w0.2: S61.1 242.95,9.49 245.53,6.9 254.49,6.9 D61.2
Net-(D62-A): length 16
  Bottom w0.2: D62.2 278.36,6.96 269.25,6.96 266.76,9.45 S62.1
Net-(D63-K): length 11.5
  Bottom w0.2: 172.69,8.5 U2.1 ; 172.69,8.5 176.45,8.5 ; 172.69,8.5 172.69,7.23 172.07,6.6 171.69,6.6 ; D63.1 176.45,7.35 176.45,8.5 ; 176.45,8.5 Q1.2
Net-(D64-K): length 2.7
  Bottom w0.2: R4.1 148.83,22.6 D64.1
Net-(D65-K): length 5.8
  Bottom w0.2: D65.1 189.24,13.79 R8.1
Net-(U3-PROG): length 3.8
  Bottom w0.2: U3.5 183.78,7.99 R5.1
Net-(U3-STAT): length 6
  Bottom w0.2: R8.2 184.4,16.62 U3.1

## Copper pours and planes (outline as drawn; the poured copper is in the pictures)
(no net) on Top, Bottom, In1.Cu, In2.Cu: 0,95.25 0,0 285.75,0 285.75,95.25
